# KiCad board ShinyAddOn_panel_1.kicad_pcb (continued)
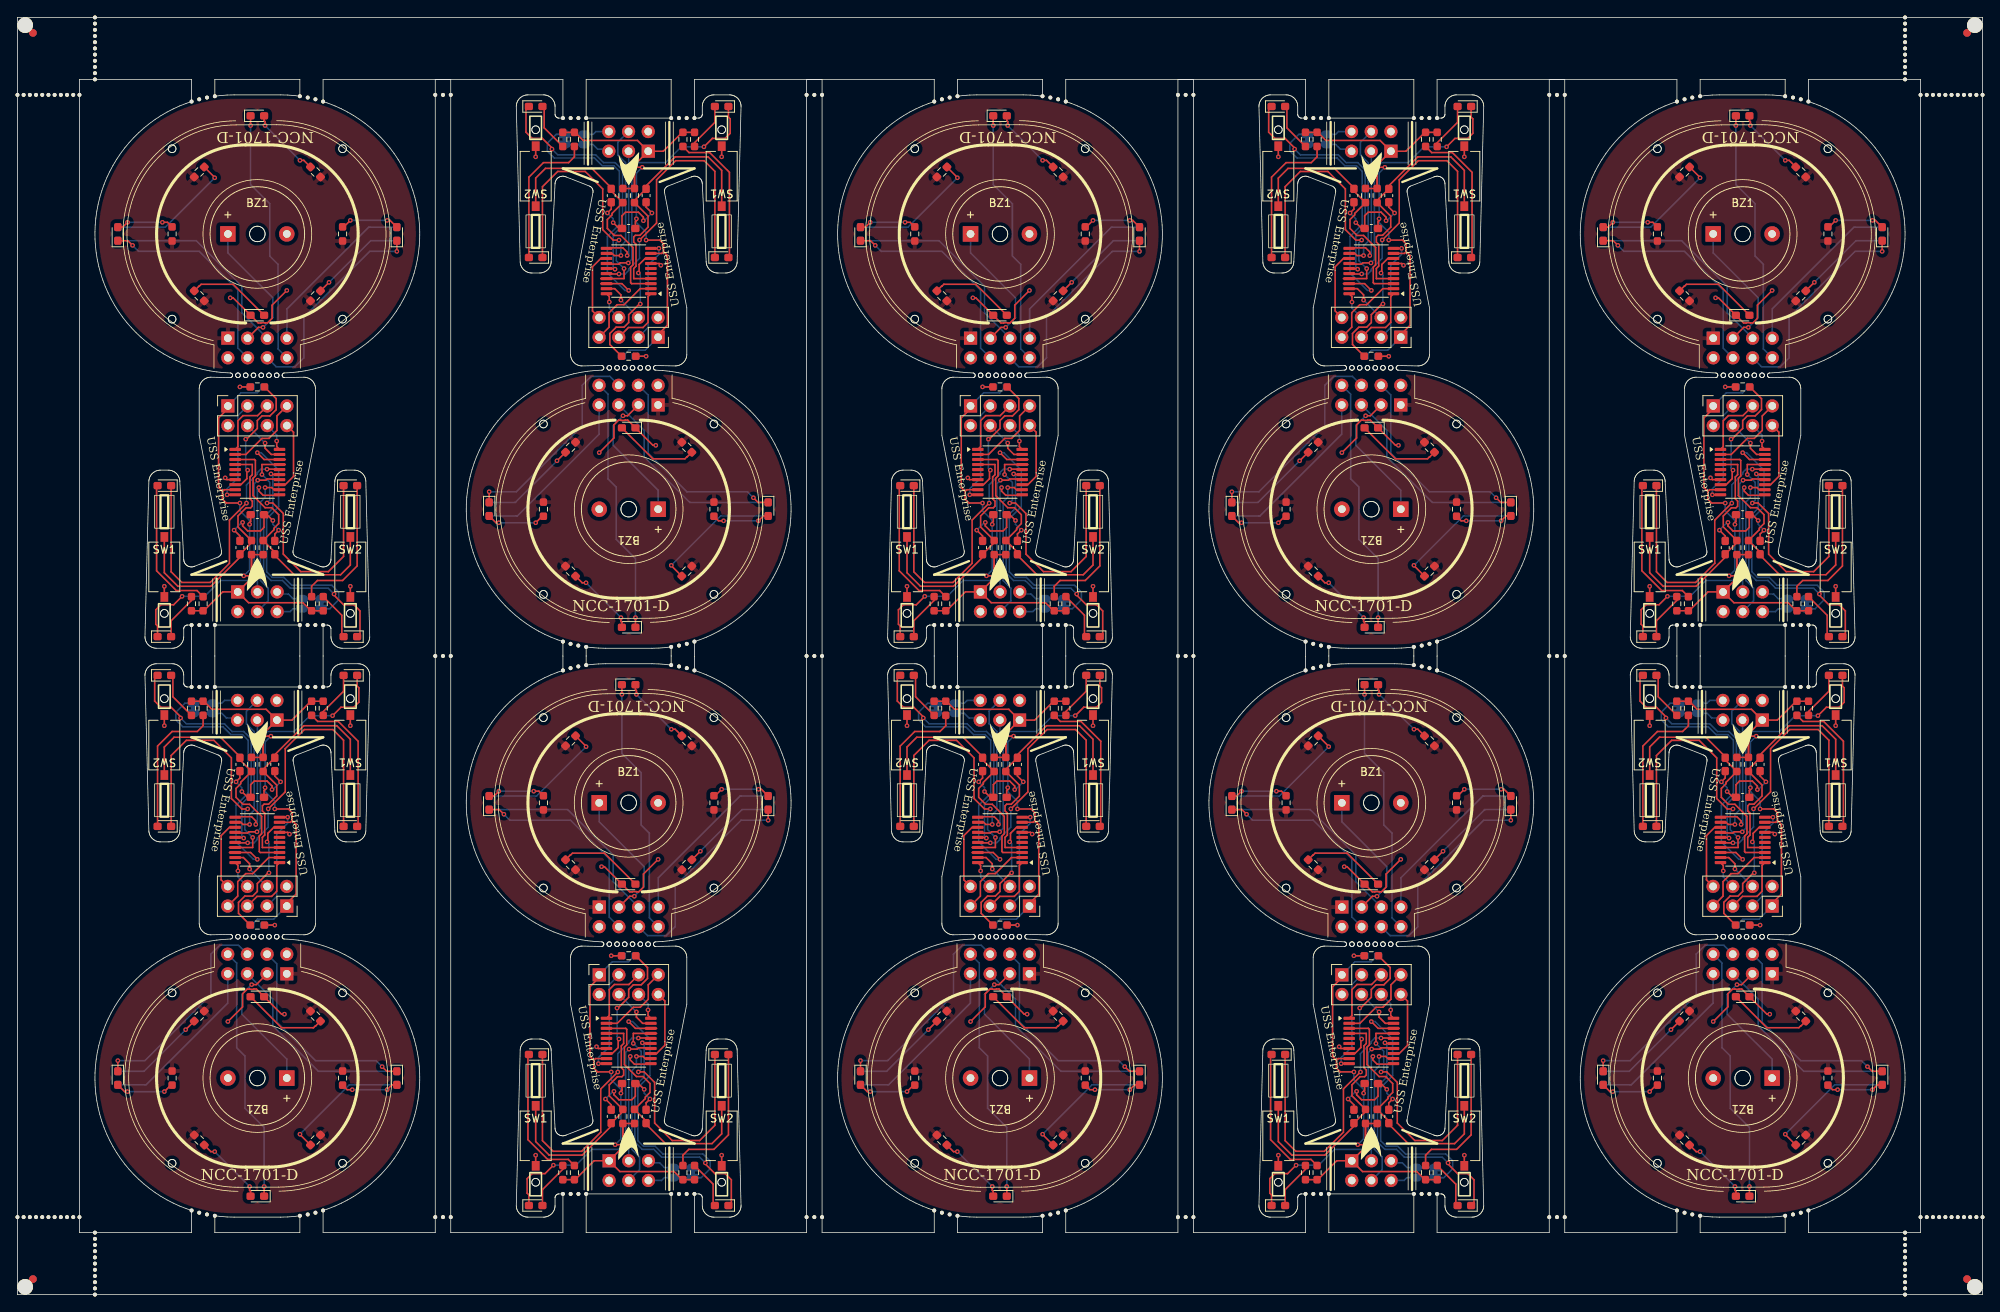
[diagram p0: board, top side]
## Routing (per net, layer and track width the routed paths; a pad name or vN(x,y) marks a point on that pad's centre or on a via; arc(x,y) is an arc through that point) (continued)
  Bottom w0.2: v1(80.37,127.91) 80.37,131.66 v1(80.12,131.91)
Board_1-VCC: length 64.3
  Top w0.2: R9#7.1 79.62,145.86 J5#2.1 ; R9#7.1 79.62,145.56 v1(80.62,145.56) ; R9#7.1 77.87,142.83 ; J5#2.1 83.34,147.64 85.78,150.08 R6#6.1 R4#3.1 ; J5#2.1 80,149.03 73,149.03 71.96,150.08 R7#7.1 R3.1 ; 83.37,134.66 83.87,134.16 83.87,125.16 83.12,124.41 83.12,124.16 82.58,123.62 ; 83.37,134.66 83.14,134.44 U1.9 ; 83.37,134.66 83.37,135.66 82.87,136.16 v1(81.12,136.16) ; v1(79.87,138.91) 79.87,138.66 79.73,138.53 C3#3.1
  Bottom w0.2: D2#6.2 78.12,121.16 78.89,121.94 80.98,121.94 J4#5.1 ; v1(81.12,136.16) 81.12,137.16 79.87,138.41 v1(79.87,138.91) 79.87,144.81 v1(80.62,145.56)
Board_2-/blue gondeln left: length 33.4
  Top w0.2: U1#3.14 129.57,105.31 128.03,105.31 127.89,105.16 v1(126.83,105.16) ; v1(117.07,90.17) 115.98,89.07 114.33,89.07 113.68,88.43 113.68,86.56 113.91,86.33 D4#10.1
  Bottom w0.2: v1(117.07,90.17) 119.99,90.17 122.03,92.21 125.53,92.21 126.38,93.06 126.38,104.71 v1(126.83,105.16)
Board_2-/blue gondeln right: length 32.6
  Top w0.2: U1#3.15 128.63,105.88 v1(128.55,105.97) ; D3#2.1 140.03,85.33 140.03,88.28 139.24,89.07 137.92,89.07 136.68,90.31 v1(136.68,90.46)
  Bottom w0.2: v1(128.55,105.97) 128.78,105.73 128.78,101.54 127.58,100.34 127.58,93.16 128.53,92.21 130.03,92.21 131.03,91.21 135.93,91.21 v1(136.68,90.46)
Board_2-/blue_front: length 42.5
  Top w0.2: J4.8 131.45,111.36 131.45,105.65 130.38,104.58 U1#3.13 ; D5.1 125.91,150.83
  Bottom w0.2: J1#8.8 129.45,122.11 129.45,133.04 128.38,134.11 128.38,140.86 125.91,143.33 v1(125.91,150.96)
Board_2-/buzzer: length 31.2
  Top w0.2: U1#3.10 123.91,103.27 v1(122.88,103.27) ; v1(127.52,124.89) 126.92,124.89 J1#8.3
  Bottom w0.2: v1(122.88,103.27) 122.88,104.06 124.28,105.46 124.28,113.51 J4.3 ; BZ1#6.1 122.98,134.51 128.78,128.71 128.78,126.16 v1(127.52,124.89)
Board_2-/GPIO1: length 5.3
  Bottom w0.2: J5#8.5 129.61,90.46 130.78,90.46 131.38,89.86 131.78,89.86 ; JP1#9.1 J3.2
Board_2-/GPIO2: length 3.1
  Top w0.2: 129.7,88.56 J5#8.6
  Bottom w0.2: J5#8.6 131.02,88.19 131.38,88.56 131.78,88.56
Board_2-/LED dish bottom l: length 34.9
  Top w0.2: J4.5 126.81,113.5 124.94,113.5 124.28,112.85 124.28,109.49 U1#3.1
  Bottom w0.2: D10#9.1 118.91,136.08 124.78,130.21 124.78,126.78 J1#8.5
Board_2-/LED dish bottom r: length 32.7
  Top w0.2: J4.7 129.31,113.46 129.31,111.59 128.28,110.56 127.38,110.56 125.31,108.48 U1#3.2
  Bottom w0.2: J1#8.7 130.6,127.28 141.16,137.83 D11#8.1
Board_2-/LED dish top left: length 33.5
  Top w0.2: v1(127.78,109.96) 127.78,109.28 128.58,108.48 U1#3.19 ; D8#3.1 110.08,136.08 v1(110.68,135.48)
  Bottom w0.2: v1(127.78,109.96) 125.53,112.21 J4.4 ; J1#8.4 124.27,122.21 124.27,129.72 119.28,134.71 111.46,134.71 v1(110.68,135.48)
Board_2-/LED dish top right: length 32.1
  Top w0.2: 128.29,111.7 128.29,112.21 ; U1#3.20 129.28,109.49 v1(129.28,110.21) ; D9#6.1 v1(144.78,134.71)
  Bottom w0.2: J4.6 129.28,110.99 v1(129.28,110.21) ; v1(144.78,134.71) 141.28,134.71 132.78,126.21 132.78,120.96 131.63,119.81 129.21,119.81 J1#8.6
Board_2-/red_gondeln_left: length 36.5
  Top w0.2: v1(128.03,106.58) 129.6,106.58 U1#3.16 ; v1(125.38,102.19) 125.37,102.19 123.18,100.01 123.18,94.42 120.72,91.96 117.03,91.96 115.66,93.33 D6#8.1
  Bottom w0.2: v1(128.03,106.58) 127.22,106.58 126.78,106.14 126.78,105.95 125.38,104.56 v1(125.38,102.19)
Board_2-/red_gondeln_right: length 35.9
  Top w0.2: v1(127.38,105.89) 127.38,107.18 U1#3.17 ; 128.91,107.18 U1#3.17 ; U1#3.17 130.38,107.18 ; v1(128.03,102.21) 128.78,102.21 130.13,100.86 130.13,95.61 132.39,93.35 135.95,93.35 137.91,95.31 D7#4.1
  Bottom w0.2: v1(127.38,105.89) 128.38,104.88 128.38,102.56 v1(128.03,102.21)
Board_2-/SCL: length 19.2
  Top w0.2: v1(127.78,104.21) 128.63,104.21 128.91,103.93 U1#3.12
  Bottom w0.2: J5#8.4 128.19,89.58 128.19,91.21 127.18,92.21 127.18,102.35 127.78,102.95 v1(127.78,104.21)
Board_2-/SDA: length 17.6
  Top w0.2: v1(126.98,104.21) 126.98,103.75 127.53,103.21 129.57,103.21 U1#3.11
  Bottom w0.2: v1(126.98,104.21) 126.78,104.01 126.78,90.75 J5#8.3 126.3,91.23
Board_2-/sw1: length 33.5
  Top w0.2: SW1#2.1 114.78,93.21 116.53,91.46 120.78,91.46 124.53,95.21 C1#2.1 126.03,97.09 R9#10.2 124.28,99.12 124.28,100.54 125.33,101.59 125.92,101.59 126.13,101.81 126.13,102.46 125.83,102.76 125.83,105.57 126.13,105.87 126.13,107.18 U1#3.4
Board_2-/sw2: length 33.3
  Top w0.2: SW2#4.1 138.78,94.21 137.52,92.95 131.54,92.95 129.03,95.46 C2#2.1 129.03,95.87 R8#6.2 128.93,98.77 128.93,98.96 129.53,99.56 129.53,100.71 128.63,101.61 127.78,101.61 126.23,103.16 126.23,105.41 126.53,105.71 126.53,107.71 126.41,107.83 U1#3.3
Board_2-GND: length 29.2
  Top w0.2: v1(128.78,99.96) 128.03,100.71 C3#7.2 ; v1(130.58,129.66) 128.68,127.76 128.68,126.06 128.08,125.46 127.8,125.46 127.77,125.49 127.27,125.49 127.23,125.46 126.91,125.46 D1#5.1 123.66,128.71 v1(123.28,128.71) ; v1(124.88,99.71) 124.88,99.26 125.53,98.61 127.18,98.61 127.65,99.07 C3#7.2 ; 128.03,100.32 C3#7.2 ; v1(129.53,98.71) 129.03,98.21 C2#2.2 ; v1(138.78,91.46) SW2#4.2 ; U1#3.7 122.86,105.23 v1(122.63,105.46) ; v1(123.78,98.71) 124.53,97.96 C1#2.2 ; v1(114.78,91.46) SW1#2.2
  Bottom w0.2: v1(129.53,98.71) 128.78,99.46 v1(128.78,99.96) ; v1(124.88,99.71) 124.78,99.71 v1(123.78,98.71)
Board_2-Net-(D1-A): length 11
  Top w0.2: D1#5.2 123.66,130.46 119.53,130.46 119.28,130.21 119.24,130.21 R1#8.2
Board_2-Net-(D2-K): length 2.7
  Top w0.2: R2#6.1 v1(124.53,117.21)
  Bottom w0.2: v1(124.53,117.21) D2#9.1
Board_2-Net-(D3-A): length 6.2
  Top w0.2: R3#7.2 137.68,87.72 137.68,85.18 D3#2.2
Board_2-Net-(D4-A): length 6.2
  Top w0.2: R4#6.2 118.28,89.63 115.66,87.01 D4#10.2
Board_2-Net-(D5-A): length 9.4
  Top w0.2: v1(132.28,146.46) 132.78,146.46 R5#7.2 ; D5.2 127.66,151.58 127.78,151.46 v1(127.78,150.96)
  Bottom w0.2: v1(127.78,150.96) v1(132.28,146.46)
Board_2-Net-(D6-A): length 18.4
  Top w0.2: 113.98,104.38 113.78,104.18 113.78,93.46 116.33,90.91 119,90.91 R6#8.2
Board_2-Net-(D7-A): length 18.7
  Top w0.2: R7#10.2 133.78,91.46 134.53,92.21 137.78,92.21 139.66,94.08 D7#4.2
Board_2-Net-(D8-A): length 7.6
  Top w0.2: D8#3.2 109.41,137.83 v1(110.03,138.46) ; 115.75,137.83 R10.2 115.2,138.46 v1(114.53,138.46)
  Bottom w0.2: v1(110.03,138.46) v1(114.53,138.46)
Board_2-Net-(D9-A): length 7.8
  Top w0.2: D9#6.2 143.91,138.71 v1(143.53,138.71) ; v1(138.78,138.71) 137.95,137.87 R11#2.2 137.82,137.83
  Bottom w0.2: v1(138.78,138.71) v1(143.53,138.71)
Board_2-Net-(D10-A): length 17.1
  Top w0.2: v1(121.28,144.21) 121.28,144.25 R12#2.2
  Bottom w0.2: v1(121.28,144.21) 114.91,137.83 D10#9.2
Board_2-Net-(D11-A): length 12.5
  Top w0.2: R13#6.2 v1(136.03,130.71)
  Bottom w0.2: v1(136.03,130.71) 141.41,136.08 D11#8.2
Board_2-Net-(JP1-B): length 37.2
  Top w0.2: v1(126.78,108.71) 127.66,107.83 U1#3.18 ; U1#3.18 130.38,107.83 ; U1#3.18 128.91,107.83
  Bottom w0.2: 135.98,88.56 JP1#9.2 136.13,88.56 137.28,89.71 137.28,90.71 136.38,91.61 131.2,91.61 130.2,92.61 128.7,92.61 127.98,93.32 127.98,100.18 129.53,101.73 129.53,106.46 127.28,108.71 v1(126.78,108.71)
Board_2-Net-(U1-PD0): length 16.7
  Top w0.2: v1(125.28,110.46) 125.4,110.46 126.78,111.84 126.78,112.86 127.38,113.46 128.4,113.46 129.21,114.27 129.21,115.69 R2#6.2 ; U1#3.8 124.66,104.58 125.43,105.36 125.43,106.36 v1(125.53,106.46)
  Bottom w0.2: v1(125.53,106.46) 125.28,106.71 v1(125.28,110.46)
Board_2-VCC: length 64.3
  Top w0.2: J5#8.1 122.31,90.73 119.87,88.29 R6#8.1 R4#6.1 ; J5#8.1 126.03,92.51 R9#10.1 ; J5#8.1 125.65,89.34 132.65,89.34 133.7,88.29 R7#10.1 R3#7.1 ; R9#10.1 127.78,95.54 ; R9#10.1 126.03,92.81 v1(125.03,92.81) ; 123.07,114.75 122.53,114.21 122.53,113.96 121.78,113.21 121.78,104.21 122.28,103.71 ; 122.28,103.71 122.28,102.71 122.78,102.21 v1(124.53,102.21) ; 122.28,103.71 122.51,103.93 U1#3.9 ; v1(125.78,99.46) 125.78,99.71 125.92,99.84 C3#7.1
  Bottom w0.2: v1(124.53,102.21) 124.53,101.21 125.78,99.96 v1(125.78,99.46) 125.78,93.56 v1(125.03,92.81) ; D2#9.2 127.53,117.21 126.76,116.43 124.67,116.43 J4.1
Board_3-/blue gondeln left: length 33.4
  Top w0.2: v1(174.65,133.21) 173.59,133.21 173.45,133.06 171.91,133.06 U1#7.14 ; v1(184.41,148.21) 185.5,149.3 187.15,149.3 187.8,149.95 187.8,151.81 187.57,152.04 D4#6.1
  Bottom w0.2: v1(174.65,133.21) 175.1,133.66 175.1,145.31 175.95,146.16 179.45,146.16 181.49,148.21 v1(184.41,148.21)
Board_3-/blue gondeln right: length 32.6
  Top w0.2: v1(164.8,147.91) 164.8,148.06 163.56,149.3 162.24,149.3 161.45,150.09 161.45,153.04 D3#7.1 ; v1(172.93,132.4) 172.85,132.49 U1#7.15
  Bottom w0.2: v1(172.93,132.4) 172.7,132.64 172.7,136.83 173.9,138.03 173.9,145.21 172.95,146.16 171.45,146.16 170.45,147.16 165.55,147.16 v1(164.8,147.91)
Board_3-/blue_front: length 42.5
  Top w0.2: D5#3.1 175.57,87.54 ; J4#6.8 170.03,127.01 170.03,132.72 171.1,133.79 U1#7.13
  Bottom w0.2: J1#7.8 172.03,116.26 172.03,105.33 173.1,104.26 173.1,97.51 175.57,95.04 v1(175.57,87.41)
Board_3-/buzzer: length 31.2
  Top w0.2: U1#7.10 177.57,135.1 v1(178.6,135.1) ; v1(173.96,113.48) 174.56,113.48 J1#7.3
  Bottom w0.2: BZ1#4.1 178.5,103.86 172.7,109.66 172.7,112.21 v1(173.96,113.48) ; J4#6.3 177.2,124.86 177.2,132.91 178.6,134.31 v1(178.6,135.1)
Board_3-/GPIO1: length 5.3
  Bottom w0.2: JP1.1 J3#5.2 ; 169.7,148.51 170.1,148.51 170.7,147.91 171.87,147.91 J5#5.5
Board_3-/GPIO2: length 3.1
  Top w0.2: 171.78,149.81 J5#5.6
  Bottom w0.2: J5#5.6 170.46,150.18 170.1,149.81 169.7,149.81
Board_3-/LED dish bottom l: length 34.9
  Top w0.2: U1#7.1 177.2,128.88 177.2,125.53 176.55,124.87 174.67,124.87 J4#6.5
  Bottom w0.2: J1#7.5 176.7,111.59 176.7,108.16 182.57,102.29 D10#10.1
Board_3-/LED dish bottom r: length 32.7
  Top w0.2: U1#7.2 176.17,129.89 174.1,127.81 173.2,127.81 172.17,126.78 172.17,124.91 J4#6.7
  Bottom w0.2: D11.1 160.32,100.54 170.88,111.09 J1#7.7
Board_3-/LED dish top left: length 33.5
  Top w0.2: v1(190.8,102.89) 191.4,102.29 D8#6.1 ; v1(173.7,128.41) 173.7,129.09 172.9,129.89 U1#7.19
  Bottom w0.2: v1(173.7,128.41) 175.95,126.16 J4#6.4 ; J1#7.4 177.21,116.16 177.21,108.65 182.2,103.66 190.02,103.66 v1(190.8,102.89)
Board_3-/LED dish top right: length 32.1
  Top w0.2: 173.19,126.67 173.19,126.16 ; D9.1 v1(156.7,103.66) ; v1(172.2,128.16) 172.2,128.88 U1#7.20
  Bottom w0.2: J4#6.6 172.2,127.38 v1(172.2,128.16) ; J1#7.6 172.27,118.56 169.85,118.56 168.7,117.41 168.7,112.16 160.2,103.66 v1(156.7,103.66)
Board_3-/red_gondeln_left: length 36.5
  Top w0.2: v1(176.1,136.18) 176.11,136.18 178.3,138.36 178.3,143.95 180.76,146.41 184.45,146.41 185.82,145.04 D6#6.1 ; U1#7.16 171.88,131.79 v1(173.45,131.79)
  Bottom w0.2: v1(173.45,131.79) 174.26,131.79 174.7,132.23 174.7,132.42 176.1,133.81 v1(176.1,136.18)
Board_3-/red_gondeln_right: length 35.9
  Top w0.2: 171.1,131.19 U1#7.17 ; U1#7.17 172.57,131.19 ; U1#7.17 174.1,131.19 v1(174.1,132.48) ; D7#10.1 163.57,143.06 165.53,145.02 169.09,145.02 171.35,142.76 171.35,137.51 172.7,136.16 v1(173.45,136.16)
  Bottom w0.2: v1(173.45,136.16) 173.1,135.81 173.1,133.49 v1(174.1,132.48)
Board_3-/SCL: length 19.2
  Top w0.2: U1#7.12 172.57,134.44 172.85,134.16 v1(173.7,134.16)
  Bottom w0.2: v1(173.7,134.16) 173.7,135.42 174.3,136.02 174.3,146.16 173.29,147.16 173.29,148.79 J5#5.4
Board_3-/SDA: length 17.6
  Top w0.2: v1(174.5,134.16) 174.5,134.62 173.95,135.16 171.91,135.16 U1#7.11
  Bottom w0.2: 175.18,147.14 J5#5.3 174.7,147.62 174.7,134.36 v1(174.5,134.16)
Board_3-/sw1: length 33.5
  Top w0.2: SW1#9.1 186.7,145.16 184.95,146.91 180.7,146.91 176.95,143.16 C1#7.1 175.45,141.28 R9#6.2 177.2,139.25 177.2,137.83 176.15,136.78 175.56,136.78 175.35,136.56 175.35,135.92 175.65,135.61 175.65,132.8 175.35,132.5 175.35,131.19 U1#7.4
Board_3-/sw2: length 33.3
  Top w0.2: U1#7.3 175.07,130.54 174.95,130.66 174.95,132.66 175.25,132.96 175.25,135.21 173.7,136.76 172.85,136.76 171.95,137.66 171.95,138.82 172.55,139.42 172.55,139.6 R8#2.2 172.45,142.5 C2.1 172.45,142.91 169.94,145.42 163.96,145.42 162.7,144.16 SW2#8.1
Board_3-GND: length 29.2
  Top w0.2: C2.2 172.45,140.16 v1(171.95,139.66) ; 173.45,138.05 C3#2.2 ; C3#2.2 173.45,137.66 v1(172.7,138.41) ; C3#2.2 173.83,139.3 174.3,139.76 175.95,139.76 176.6,139.11 v1(176.6,138.66) ; v1(177.7,139.66) 176.95,140.41 C1#7.2 ; v1(162.7,146.91) SW2#8.2 ; v1(178.85,132.91) 178.62,133.14 U1#7.7 ; v1(186.7,146.91) SW1#9.2 ; v1(170.9,108.71) 172.8,110.61 172.8,112.31 173.4,112.91 173.68,112.91 173.71,112.88 174.21,112.88 174.25,112.91 174.57,112.91 D1#4.1 177.82,109.66 v1(178.2,109.66)
  Bottom w0.2: v1(171.95,139.66) 172.7,138.91 v1(172.7,138.41) ; v1(177.7,139.66) 176.7,138.66 v1(176.6,138.66)
Board_3-Net-(D1-A): length 11
  Top w0.2: R1#2.2 182.24,108.16 182.2,108.16 181.95,107.91 177.82,107.91 D1#4.2
Board_3-Net-(D2-K): length 2.7
  Top w0.2: R2#9.1 v1(176.95,121.16)
  Bottom w0.2: v1(176.95,121.16) D2#3.1
Board_3-Net-(D3-A): length 6.2
  Top w0.2: D3#7.2 163.8,153.19 163.8,150.65 R3#5.2
Board_3-Net-(D4-A): length 6.2
  Top w0.2: D4#6.2 185.82,151.36 183.2,148.74 R4.2
Board_3-Net-(D5-A): length 9.4
  Top w0.2: v1(173.7,87.41) 173.7,86.91 173.82,86.79 D5#3.2 ; R5#5.2 168.7,91.91 v1(169.2,91.91)
  Bottom w0.2: v1(173.7,87.41) v1(169.2,91.91)
Board_3-Net-(D6-A): length 18.4
  Top w0.2: R6#10.2 182.48,147.46 185.15,147.46 187.7,144.91 187.7,134.19 187.5,133.99
Board_3-Net-(D7-A): length 18.7
  Top w0.2: R7#4.2 167.7,146.91 166.95,146.16 163.7,146.16 161.82,144.29 D7#10.2
Board_3-Net-(D8-A): length 7.6
  Top w0.2: 185.73,100.54 R10#3.2 186.28,99.91 v1(186.95,99.91) ; v1(191.45,99.91) 192.07,100.54 D8#6.2
  Bottom w0.2: v1(191.45,99.91) v1(186.95,99.91)
Board_3-Net-(D9-A): length 7.8
  Top w0.2: 163.66,100.54 R11#9.2 163.53,100.5 v1(162.7,99.66) ; D9.2 157.57,99.66 v1(157.95,99.66)
  Bottom w0.2: v1(162.7,99.66) v1(157.95,99.66)
Board_3-Net-(D10-A): length 17.1
  Top w0.2: v1(180.2,94.16) 180.2,94.12 R12#8.2
  Bottom w0.2: D10#10.2 186.57,100.54 v1(180.2,94.16)
Board_3-Net-(D11-A): length 12.5
  Top w0.2: R13#8.2 v1(165.45,107.66)
  Bottom w0.2: D11.2 160.07,102.29 v1(165.45,107.66)
Board_3-Net-(JP1-B): length 37.2
  Top w0.2: 172.57,130.54 U1#7.18 ; U1#7.18 173.82,130.54 v1(174.7,129.66) ; U1#7.18 171.1,130.54
  Bottom w0.2: v1(174.7,129.66) 174.2,129.66 171.95,131.91 171.95,136.64 173.5,138.19 173.5,145.05 172.78,145.76 171.28,145.76 170.28,146.76 165.1,146.76 164.2,147.66 164.2,148.66 165.35,149.81 JP1.2 165.5,149.81
Board_3-Net-(U1-PD0): length 16.7
  Top w0.2: R2#9.2 172.27,122.68 172.27,124.1 173.08,124.91 174.1,124.91 174.7,125.51 174.7,126.53 176.08,127.91 v1(176.2,127.91) ; U1#7.8 176.82,133.79 176.05,133.01 176.05,132.01 v1(175.95,131.91)
  Bottom w0.2: v1(175.95,131.91) 176.2,131.66 v1(176.2,127.91)
Board_3-VCC: length 64.3
  Top w0.2: v1(176.45,145.56) 175.45,145.56 R9#6.1 ; R9#6.1 173.7,142.83 ; R9#6.1 175.45,145.86 J5#5.1 ; J5#5.1 179.17,147.64 181.61,150.08 R6#10.1 R4.1 ; J5#5.1 175.83,149.03 168.83,149.03 167.78,150.08 R7#4.1 R3#5.1 ; 179.2,134.66 179.2,135.66 178.7,136.16 v1(176.95,136.16) ; 179.2,134.66 178.97,134.44 U1#7.9 ; 179.2,134.66 179.7,134.16 179.7,125.16 178.95,124.41 178.95,124.16 178.41,123.62 ; v1(175.7,138.91) 175.7,138.66 175.56,138.53 C3#2.1
  Bottom w0.2: D2#3.2 173.95,121.16 174.72,121.94 176.81,121.94 J4#6.1 ; v1(176.45,145.56) 175.7,144.81 v1(175.7,138.91) 175.7,138.41 176.95,137.16 v1(176.95,136.16)
Board_4-/blue gondeln left: length 33.4
  Top w0.2: D4.1 209.74,86.33 209.51,86.56 209.51,88.43 210.15,89.07 211.81,89.07 v1(212.9,90.17) ; U1#9.14 225.4,105.31 223.86,105.31 223.71,105.16 v1(222.66,105.16)
  Bottom w0.2: v1(222.66,105.16) 222.21,104.71 222.21,93.06 221.36,92.21 217.86,92.21 215.82,90.17 v1(212.9,90.17)
Board_4-/blue gondeln right: length 32.6
  Top w0.2: U1#9.15 224.46,105.88 v1(224.37,105.97) ; v1(232.51,90.46) 232.51,90.31 233.75,89.07 235.07,89.07 235.86,88.28 235.86,85.33 D3#3.1
  Bottom w0.2: v1(224.37,105.97) 224.61,105.73 224.61,101.54 223.41,100.34 223.41,93.16 224.36,92.21 225.86,92.21 226.86,91.21 231.76,91.21 v1(232.51,90.46)
Board_4-/blue_front: length 42.5
  Top w0.2: J4#4.8 227.28,111.36 227.28,105.65 226.21,104.58 U1#9.13 ; D5#8.1 221.74,150.83
  Bottom w0.2: J1#4.8 225.28,122.11 225.28,133.04 224.21,134.11 224.21,140.86 221.74,143.33 v1(221.74,150.96)
Board_4-/buzzer: length 31.2
  Top w0.2: v1(218.71,103.27) 219.74,103.27 U1#9.10 ; J1#4.3 222.75,124.89 v1(223.35,124.89)
  Bottom w0.2: v1(223.35,124.89) 224.61,126.16 224.61,128.71 218.81,134.51 BZ1#5.1 ; J4#4.3 220.11,113.51 220.11,105.46 218.71,104.06 v1(218.71,103.27)
Board_4-/GPIO1: length 5.3
  Bottom w0.2: 227.61,89.86 227.21,89.86 226.61,90.46 225.44,90.46 J5#6.5 ; JP1#5.1 J3#9.2
Board_4-/GPIO2: length 3.1
  Top w0.2: 225.53,88.56 J5#6.6
  Bottom w0.2: J5#6.6 226.85,88.19 227.21,88.56 227.61,88.56
Board_4-/LED dish bottom l: length 34.9
  Top w0.2: U1#9.1 220.11,109.49 220.11,112.85 220.76,113.5 222.64,113.5 J4#4.5
  Bottom w0.2: J1#4.5 220.61,126.78 220.61,130.21 214.74,136.08 D10#4.1
Board_4-/LED dish bottom r: length 32.7
  Top w0.2: U1#9.2 221.14,108.48 223.21,110.56 224.11,110.56 225.14,111.59 225.14,113.46 J4#4.7
  Bottom w0.2: D11#5.1 236.99,137.83 226.43,127.28 J1#4.7
Board_4-/LED dish top left: length 33.5
  Top w0.2: D8#8.1 205.91,136.08 v1(206.51,135.48) ; v1(223.61,109.96) 223.61,109.28 224.41,108.48 U1#9.19
  Bottom w0.2: v1(206.51,135.48) 207.29,134.71 215.11,134.71 220.1,129.72 220.1,122.21 J1#4.4 ; v1(223.61,109.96) 221.36,112.21 J4#4.4
Board_4-/LED dish top right: length 32.1
  Top w0.2: U1#9.20 225.11,109.49 v1(225.11,110.21) ; 224.12,111.7 224.12,112.21 ; D9#9.1 v1(240.61,134.71)
  Bottom w0.2: v1(225.11,110.21) 225.11,110.99 J4#4.6 ; v1(240.61,134.71) 237.11,134.71 228.61,126.21 228.61,120.96 227.46,119.81 225.04,119.81 J1#4.6
Board_4-/red_gondeln_left: length 36.5
  Top w0.2: U1#9.16 225.42,106.58 v1(223.86,106.58) ; v1(221.21,102.19) 221.19,102.19 219.01,100.01 219.01,94.42 216.55,91.96 212.86,91.96 211.49,93.33 D6#2.1
  Bottom w0.2: v1(223.86,106.58) 223.05,106.58 222.61,106.14 222.61,105.95 221.21,104.56 v1(221.21,102.19)
Board_4-/red_gondeln_right: length 35.9
  Top w0.2: D7#5.1 233.74,95.31 231.77,93.35 228.22,93.35 225.96,95.61 225.96,100.86 224.61,102.21 v1(223.86,102.21) ; 226.21,107.18 U1#9.17 ; U1#9.17 224.74,107.18 ; U1#9.17 223.21,107.18 v1(223.21,105.89)
  Bottom w0.2: v1(223.21,105.89) 224.21,104.88 224.21,102.56 v1(223.86,102.21)
Board_4-/SCL: length 19.2
  Top w0.2: v1(223.61,104.21) 224.46,104.21 224.74,103.93 U1#9.12
  Bottom w0.2: J5#6.4 224.02,89.58 224.02,91.21 223.01,92.21 223.01,102.35 223.61,102.95 v1(223.61,104.21)
Board_4-/SDA: length 17.6
  Top w0.2: U1#9.11 225.4,103.21 223.36,103.21 222.81,103.75 v1(222.81,104.21)
  Bottom w0.2: 222.13,91.23 J5#6.3 222.61,90.75 222.61,104.01 v1(222.81,104.21)
Board_4-/sw1: length 33.5
  Top w0.2: SW1.1 210.61,93.21 212.36,91.46 216.61,91.46 220.36,95.21 C1#5.1 221.86,97.09 R9#2.2 220.11,99.12 220.11,100.54 221.16,101.59 221.75,101.59 221.96,101.81 221.96,102.46 221.66,102.76 221.66,105.57 221.96,105.87 221.96,107.18 U1#9.4
Board_4-/sw2: length 33.3
  Top w0.2: U1#9.3 222.24,107.83 222.36,107.71 222.36,105.71 222.06,105.41 222.06,103.16 223.61,101.61 224.46,101.61 225.36,100.71 225.36,99.56 224.76,98.96 224.76,98.77 R8.2 224.86,95.87 C2#3.1 224.86,95.46 227.37,92.95 233.35,92.95 234.61,94.21 SW2#3.1
Board_4-GND: length 29.2
  Top w0.2: v1(225.36,98.71) 224.86,98.21 C2#3.2 ; U1#9.7 218.69,105.23 v1(218.46,105.46) ; v1(226.41,129.66) 224.51,127.76 224.51,126.06 223.91,125.46 223.63,125.46 223.59,125.49 223.1,125.49 223.06,125.46 222.74,125.46 D1.1 219.49,128.71 v1(219.11,128.71) ; v1(234.61,91.46) SW2#3.2 ; v1(220.71,99.71) 220.71,99.26 221.36,98.61 223.01,98.61 223.47,99.07 C3.2 ; 223.86,100.32 C3.2 ; C3.2 223.86,100.71 v1(224.61,99.96) ; v1(210.61,91.46) SW1.2 ; C1#5.2 220.36,97.96 v1(219.61,98.71)
  Bottom w0.2: v1(225.36,98.71) 224.61,99.46 v1(224.61,99.96) ; v1(220.71,99.71) 220.61,99.71 v1(219.61,98.71)
Board_4-Net-(D1-A): length 11
  Top w0.2: D1.2 219.49,130.46 215.36,130.46 215.11,130.21 215.07,130.21 R1#4.2
Board_4-Net-(D2-K): length 2.7
  Top w0.2: R2#5.1 v1(220.36,117.21)
  Bottom w0.2: v1(220.36,117.21) D2.1
Board_4-Net-(D3-A): length 6.2
  Top w0.2: R3#6.2 233.51,87.72 233.51,85.18 D3#3.2
Board_4-Net-(D4-A): length 6.2
  Top w0.2: R4#5.2 214.11,89.63 211.49,87.01 D4.2
Board_4-Net-(D5-A): length 9.4
  Top w0.2: v1(228.11,146.46) 228.61,146.46 R5#10.2 ; v1(223.61,150.96) 223.61,151.46 223.49,151.58 D5#8.2
  Bottom w0.2: v1(223.61,150.96) v1(228.11,146.46)
Board_4-Net-(D6-A): length 18.4
  Top w0.2: R6#5.2 214.82,90.91 212.16,90.91 209.61,93.46 209.61,104.18 209.81,104.38
Board_4-Net-(D7-A): length 18.7
  Top w0.2: D7#5.2 235.49,94.08 233.61,92.21 230.36,92.21 229.61,91.46 R7.2
Board_4-Net-(D8-A): length 7.6
  Top w0.2: D8#8.2 205.24,137.83 v1(205.86,138.46) ; 211.57,137.83 R10#6.2 211.02,138.46 v1(210.36,138.46)
  Bottom w0.2: v1(205.86,138.46) v1(210.36,138.46)
Board_4-Net-(D9-A): length 7.8
  Top w0.2: v1(234.61,138.71) 233.77,137.87 R11#3.2 233.65,137.83 ; v1(239.36,138.71) 239.74,138.71 D9#9.2
  Bottom w0.2: v1(234.61,138.71) v1(239.36,138.71)
Board_4-Net-(D10-A): length 17.1
  Top w0.2: R12#7.2 217.11,144.25 v1(217.11,144.21)
  Bottom w0.2: v1(217.11,144.21) 210.74,137.83 D10#4.2
Board_4-Net-(D11-A): length 12.5
  Top w0.2: R13#2.2 v1(231.86,130.71)
  Bottom w0.2: D11#5.2 237.24,136.08 v1(231.86,130.71)
Board_4-Net-(JP1-B): length 37.2
  Top w0.2: U1#9.18 226.21,107.83 ; U1#9.18 224.74,107.83 ; U1#9.18 223.49,107.83 v1(222.61,108.71)
  Bottom w0.2: 231.81,88.56 JP1#5.2 231.96,88.56 233.11,89.71 233.11,90.71 232.21,91.61 227.03,91.61 226.03,92.61 224.53,92.61 223.81,93.32 223.81,100.18 225.36,101.73 225.36,106.46 223.11,108.71 v1(222.61,108.71)
Board_4-Net-(U1-PD0): length 16.7
  Top w0.2: v1(221.36,106.46) 221.26,106.36 221.26,105.36 220.49,104.58 U1#9.8 ; v1(221.11,110.46) 221.23,110.46 222.61,111.84 222.61,112.86 223.21,113.46 224.23,113.46 225.04,114.27 225.04,115.69 R2#5.2
  Bottom w0.2: v1(221.11,110.46) 221.11,106.71 v1(221.36,106.46)
Board_4-VCC: length 64.3
  Top w0.2: R4#5.1 R6#5.1 215.7,88.29 218.14,90.73 J5#6.1 ; 218.11,103.71 218.11,102.71 218.61,102.21 v1(220.36,102.21) ; 218.11,103.71 218.34,103.93 U1#9.9 ; 218.11,103.71 217.61,104.21 217.61,113.21 218.36,113.96 218.36,114.21 218.9,114.75 ; J5#6.1 221.86,92.51 R9#2.1 ; J5#6.1 221.48,89.34 228.48,89.34 229.52,88.29 R7.1 R3#6.1 ; C3.1 221.75,99.84 221.61,99.71 v1(221.61,99.46) ; 223.61,95.54 R9#2.1 ; R9#2.1 221.86,92.81 v1(220.86,92.81)
  Bottom w0.2: J4#4.1 220.5,116.43 222.59,116.43 223.36,117.21 D2.2 ; v1(220.36,102.21) 220.36,101.21 221.61,99.96 v1(221.61,99.46) 221.61,93.56 v1(220.86,92.81)
Board_5-/blue gondeln left: length 33.4
  Top w0.2: v1(40.66,74.75) 41.76,75.84 43.41,75.84 44.06,76.49 44.06,78.35 43.83,78.58 D4#4.1 ; v1(30.91,59.76) 29.85,59.76 29.7,59.61 28.17,59.61 U1#2.14
  Bottom w0.2: v1(30.91,59.76) 31.36,60.21 31.36,71.86 32.21,72.71 35.71,72.71 37.75,74.75 v1(40.66,74.75)
Board_5-/blue gondeln right: length 32.6
  Top w0.2: v1(21.06,74.46) 21.06,74.61 19.82,75.84 18.5,75.84 17.71,76.64 17.71,79.58 D3#6.1 ; U1#2.15 29.11,59.03 v1(29.19,58.95)
  Bottom w0.2: v1(21.06,74.46) 21.81,73.71 26.71,73.71 27.71,72.71 29.21,72.71 30.16,71.76 30.16,64.57 28.96,63.37 28.96,59.18 v1(29.19,58.95)
Board_5-/blue_front: length 42.5
  Top w0.2: U1#2.13 27.36,60.33 26.29,59.26 26.29,53.56 J4#7.8 ; D5#4.1 31.83,14.08
  Bottom w0.2: J1#2.8 28.29,42.81 28.29,31.88 29.35,30.81 29.35,24.06 31.83,21.58 v1(31.83,13.96)
Board_5-/buzzer: length 31.2
  Top w0.2: v1(30.22,40.02) 30.82,40.02 J1#2.3 ; U1#2.10 33.83,61.64 v1(34.86,61.64)
  Bottom w0.2: J4#7.3 33.46,51.41 33.46,59.46 34.86,60.86 v1(34.86,61.64) ; BZ1.1 34.76,30.41 28.96,36.21 28.96,38.76 v1(30.22,40.02)
Board_5-/GPIO1: length 5.3
  Bottom w0.2: J5#9.5 28.13,74.46 26.96,74.46 26.36,75.06 25.96,75.06 ; JP1#8.1 J3#6.2
Board_5-/GPIO2: length 3.1
  Top w0.2: 28.04,76.36 J5#9.6
  Bottom w0.2: 25.96,76.36 26.36,76.36 26.72,76.72 J5#9.6
Board_5-/LED dish bottom l: length 34.9
  Top w0.2: U1#2.1 33.46,55.42 33.46,52.07 32.8,51.42 30.93,51.42 J4#7.5
  Bottom w0.2: J1#2.5 32.96,38.14 32.96,34.71 38.83,28.83 D10#6.1
Board_5-/LED dish bottom r: length 32.7
  Top w0.2: J4#7.7 28.43,51.46 28.43,53.33 29.46,54.36 30.36,54.36 32.43,56.43 U1#2.2
  Bottom w0.2: J1#2.7 27.14,37.64 16.58,27.08 D11#4.1
Board_5-/LED dish top left: length 33.5
  Top w0.2: U1#2.19 29.16,56.43 29.96,55.63 v1(29.96,54.96) ; v1(47.06,29.43) 47.66,28.83 D8#7.1
  Bottom w0.2: v1(29.96,54.96) 32.21,52.71 J4#7.4 ; J1#2.4 33.47,42.71 33.47,35.2 38.46,30.21 46.28,30.21 v1(47.06,29.43)
Board_5-/LED dish top right: length 32.1
  Top w0.2: 29.45,53.22 29.45,52.71 ; U1#2.20 28.46,55.42 v1(28.46,54.71) ; D9#4.1 v1(12.96,30.21)
  Bottom w0.2: J4#7.6 28.46,53.93 v1(28.46,54.71) ; v1(12.96,30.21) 16.46,30.21 24.96,38.71 24.96,43.96 26.11,45.11 28.53,45.11 J1#2.6
Board_5-/red_gondeln_left: length 36.5
  Top w0.2: D6#10.1 42.08,71.58 40.71,72.96 37.02,72.96 34.56,70.49 34.56,64.91 32.37,62.72 v1(32.36,62.72) ; v1(29.71,58.33) 28.14,58.33 U1#2.16
  Bottom w0.2: v1(29.71,58.33) 30.51,58.33 30.96,58.78 30.96,58.96 32.36,60.36 v1(32.36,62.72)
